# KiCad board SofleKeyboard.kicad_pcb
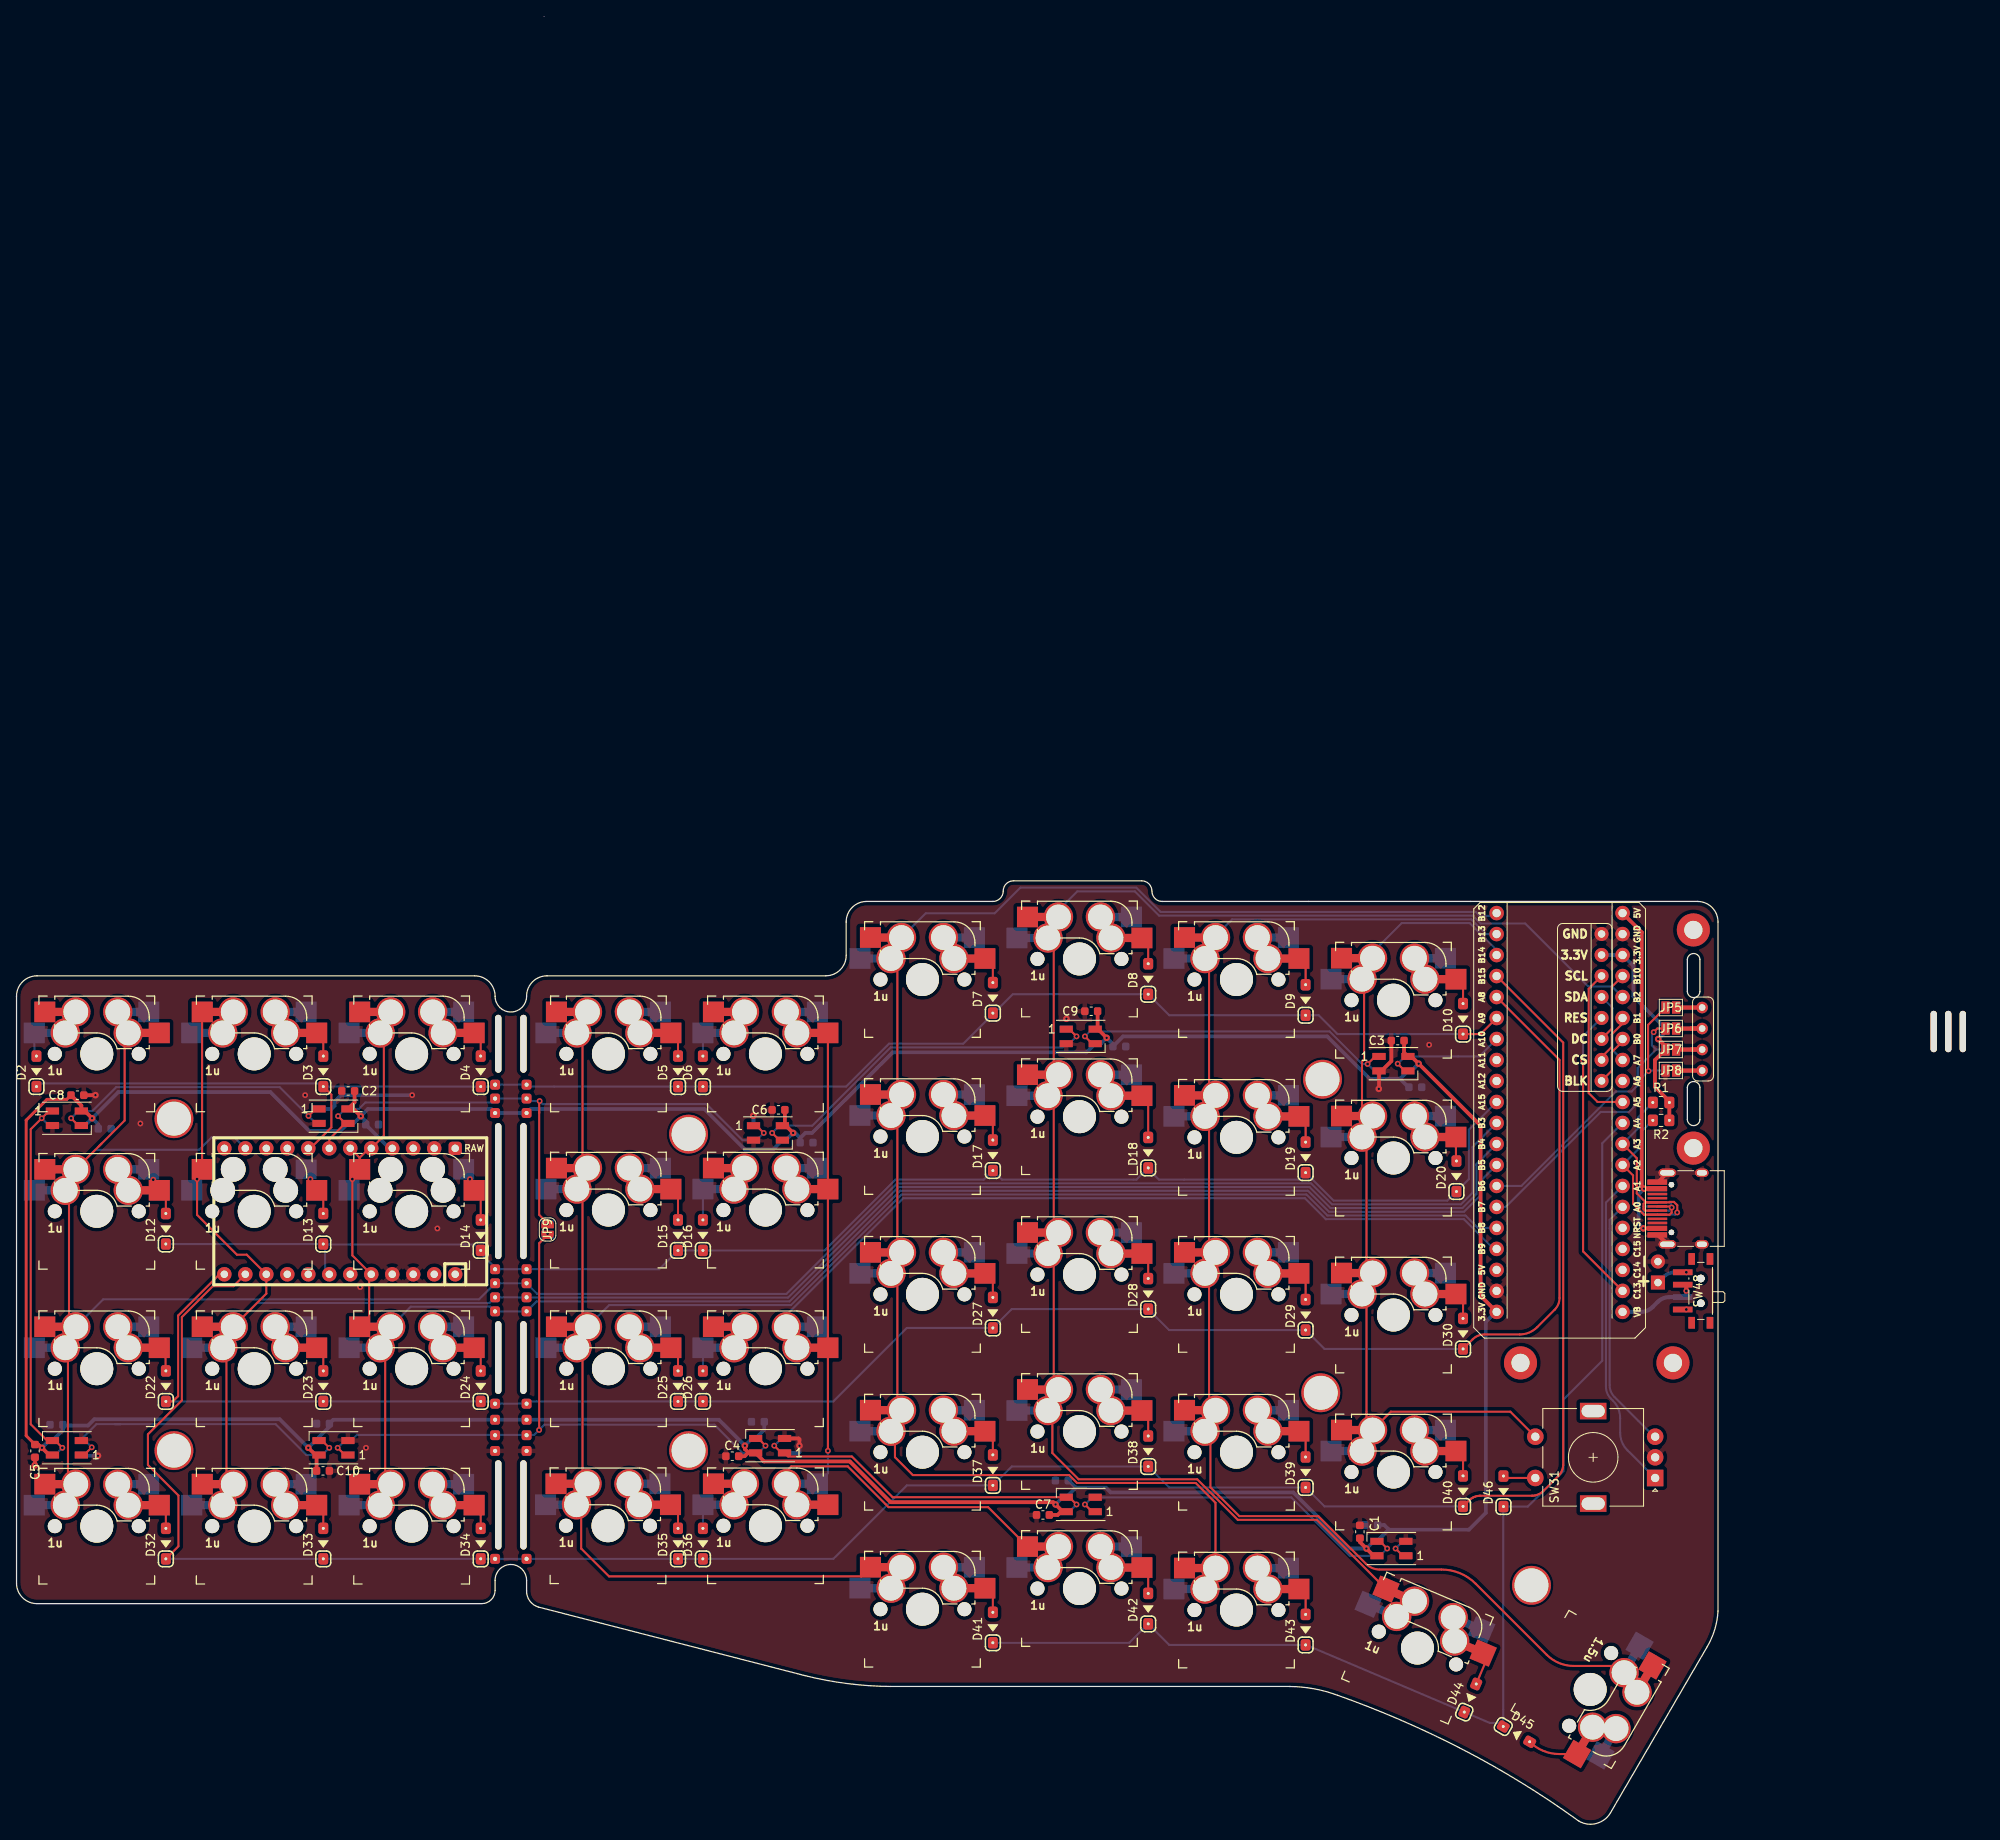
[diagram p0: board, top side]
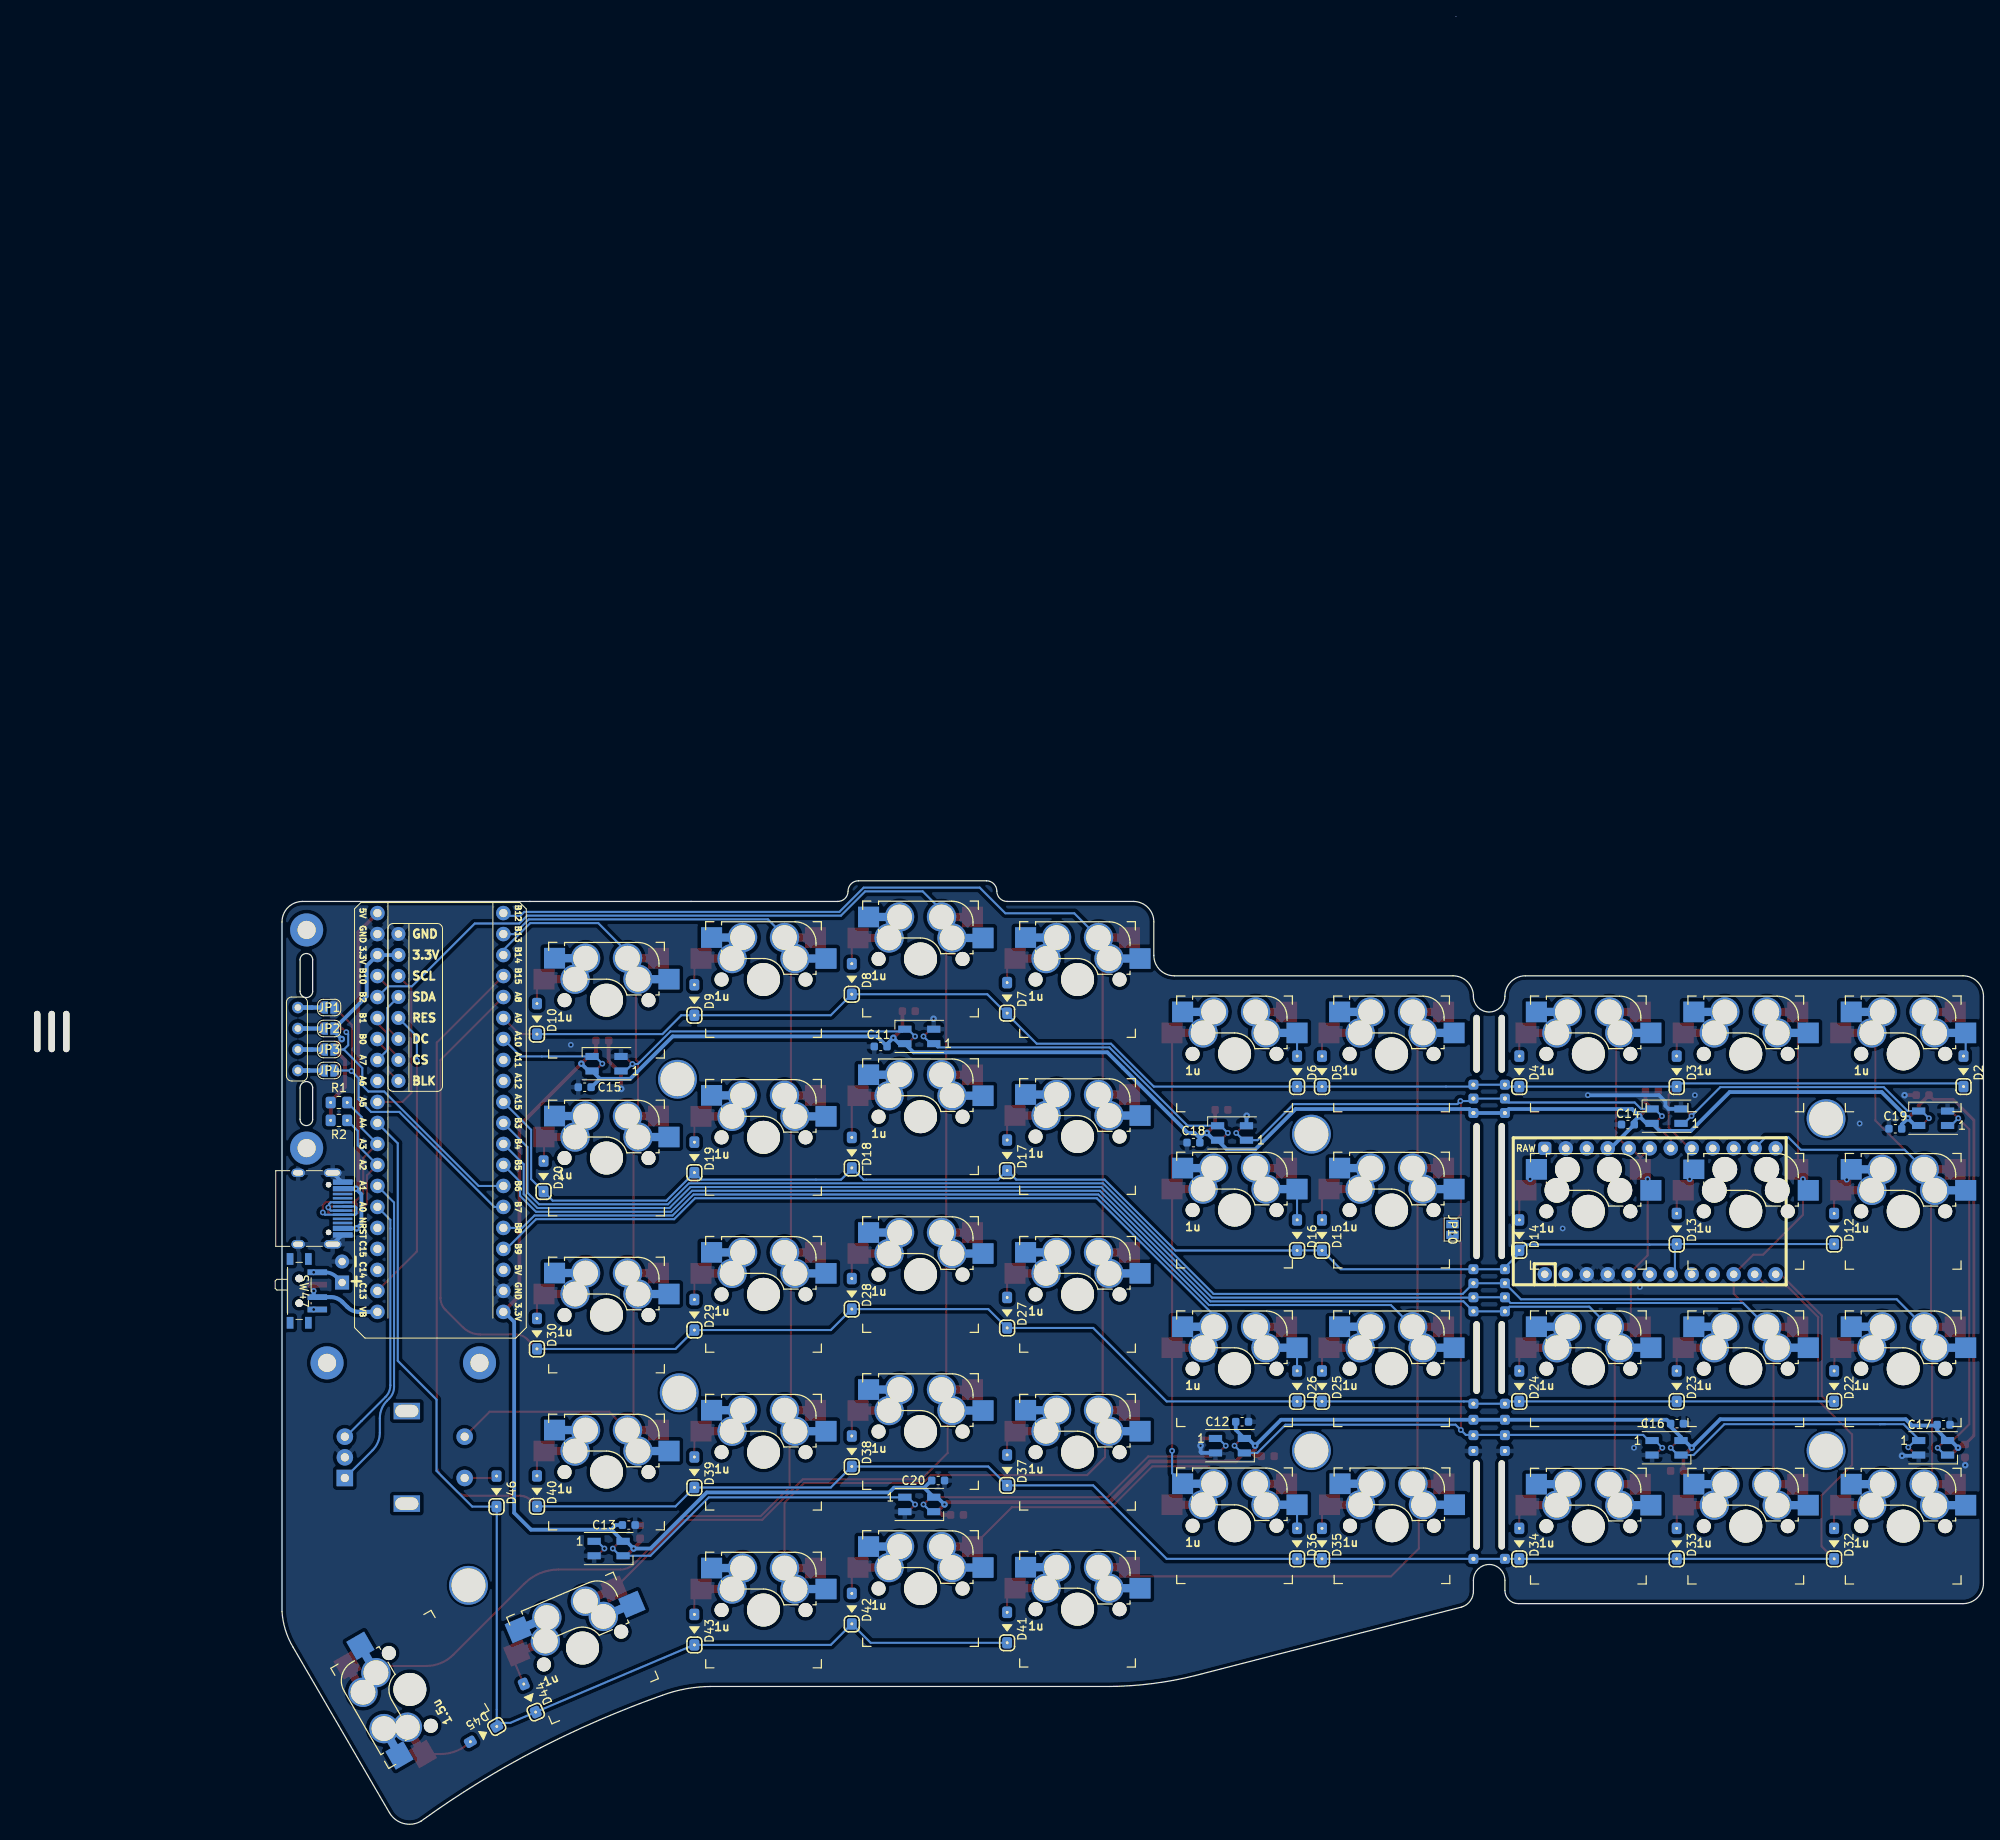
[diagram p1: board, bottom side, seen from below]

Outline 205.9 x 218.67 mm; copper layers: Top, Bottom. Coordinates in mm from the lower left corner of the outline.
Outline path: 0,100.11 0,29.08 arc(0.72,27.33) 2.47,26.6 56.3,26.6 arc(57.44,27.08) 57.91,28.21 57.91,29.44 arc(59.82,31.34) 61.72,29.44 61.72,28.21 arc(62.1,26.94) 63.18,26.18 95.35,17.91 arc(100.52,16.93) 105.76,16.58 154.02,16.58 arc(156.99,16.3) 159.86,15.51 arc(167.34,12.58) 174.6,9.16 arc(182.01,5) 189.07,0.27 arc(191.19,0) 192.88,1.29 204.57,21.36 arc(205.49,23.43) 205.9,25.67 205.9,109.11 arc(205.17,110.85) 203.42,111.58 156.4,111.58 138.65,111.58 arc(137.76,111.94) 137.4,112.83 arc(137.03,113.71) 136.15,114.08 120.65,114.08 arc(119.76,113.71) 119.4,112.83 arc(119.03,111.94) 118.15,111.58 102.87,111.58 arc(101.12,110.85) 100.4,109.11 100.4,105.05 arc(99.67,103.3) 97.92,102.58 64.19,102.58 arc(62.45,101.85) 61.72,100.11 arc(59.82,98.2) 57.91,100.11 arc(57.19,101.85) 55.44,102.58 2.47,102.58 arc(0.72,101.85) 0,100.11 ; 202.18,104.52 202.18,100.71 arc(202.95,99.95) 203.71,100.71 203.71,104.52 arc(202.95,105.28) 202.18,104.52 ; 202.18,89.02 202.18,85.21 arc(202.95,84.45) 203.71,85.21 203.71,89.02 arc(202.95,89.79) 202.18,89.02
Stack: Top 0.035mm / dielectric 1.51mm FR4 er 4.5 / Bottom 0.035mm

## Placement (name value [footprint] x y rotation side)
C1  104  [C_0603_1608Metric]  162.56 35.3 90 top
C2  104  [C_0603_1608Metric]  40.13 88.64 180 top
C3  104  [C_0603_1608Metric]  167.13 94.74 180 top
C4  104  [C_0603_1608Metric]  86.61 44.45 180 top
C5  104  [C_0603_1608Metric]  2.24 45.08 270 top
C6  104  [C_0603_1608Metric]  92.2 86.36 180 top
C7  104  [C_0603_1608Metric]  124.21 37.33 180 top
C8  104  [C_0603_1608Metric]  7.37 88.13 0 top
C9  104  [C_0603_1608Metric]  130.05 98.29 180 top
C10  104  [C_0603_1608Metric]  37.08 42.67 0 top
C11  104  [C_0603_1608Metric]  133.45 94.03 0 bottom
C12  104  [C_0603_1608Metric]  89.71 48.61 180 bottom
C13  104  [C_0603_1608Metric]  163.93 36.12 180 bottom
C14  104  [C_0603_1608Metric]  43.03 84.58 0 bottom
C15  104  [C_0603_1608Metric]  169.27 89.1 0 bottom
C16  104  [C_0603_1608Metric]  37.08 48.38 180 bottom
C17  104  [C_0603_1608Metric]  4.83 48.26 180 bottom
C18  104  [C_0603_1608Metric]  95.61 82.39 0 bottom
C19  104  [C_0603_1608Metric]  10.67 84.07 0 bottom
C20  104  [C_0603_1608Metric]  126.49 41.5 180 bottom
D2  D  [Diode]  2.41 90.87 270 bottom
D3  D  [Diode]  37.12 90.87 270 bottom
D4  D  [Diode]  56.17 90.87 270 bottom
D5  D  [Diode]  80.05 90.87 270 bottom
D6  D  [Diode]  83.06 90.87 270 bottom
D7  D  [Diode]  118.15 99.76 270 bottom
D8  D  [Diode]  136.94 102.04 270 bottom
D9  D  [Diode]  155.99 99.5 270 bottom
D10  D  [Diode]  175.04 97.22 270 bottom
D12  D  [Diode]  18.07 71.82 270 bottom
D13  D  [Diode]  37.12 71.82 270 bottom
D14  D  [Diode]  56.17 71.04 270 bottom
D15  D  [Diode]  80.05 71.04 270 bottom
D16  D  [Diode]  83.06 71.04 270 bottom
D17  D  [Diode]  118.15 80.71 270 bottom
D18  D  [Diode]  136.94 81.02 270 bottom
D19  D  [Diode]  155.99 80.45 270 bottom
D20  D  [Diode]  174.24 78.17 270 bottom
D22  D  [Diode]  18.07 52.77 270 bottom
D23  D  [Diode]  37.12 52.77 270 bottom
D24  D  [Diode]  56.17 52.77 270 bottom
D25  D  [Diode]  80.05 52.77 270 bottom
D26  D  [Diode]  83.06 52.77 270 bottom
D27  D  [Diode]  118.15 61.66 270 bottom
D28  D  [Diode]  136.94 63.94 270 bottom
D29  D  [Diode]  155.99 61.4 270 bottom
D30  D  [Diode]  175.04 59.12 270 bottom
D32  D  [Diode]  18.07 33.72 270 bottom
D33  D  [Diode]  37.12 33.72 270 bottom
D34  D  [Diode]  56.17 33.72 270 bottom
D35  D  [Diode]  80.05 33.72 270 bottom
D36  D  [Diode]  83.06 33.72 270 bottom
D37  D  [Diode]  118.15 42.61 270 bottom
D38  D  [Diode]  136.94 44.89 270 bottom
D39  D  [Diode]  155.99 42.35 270 bottom
D40  D  [Diode]  175.04 40.07 270 bottom
D41  D  [Diode]  118.15 23.56 270 bottom
D42  D  [Diode]  136.94 25.84 270 bottom
D43  D  [Diode]  155.99 23.3 270 bottom
D44  D  [Diode]  175.85 15.04 247 bottom
D45  D  [Diode]  181.37 10.89 150 bottom
D46  D  [Diode]  179.93 40.04 270 bottom
H1  Hole  [Cut_hole#2]  232 95.84 0 top
H2  Hole  [Cut_hole#2]  235.52 95.84 0 top
H3  Hole  [Cut_hole]  58.29 77.37 0 top
H3#2  Hole  [Cut_hole]  61.34 77.37 0 top
H3#3  Hole  [Cut_hole#3]  58.29 56.38 0 top
H3#4  Hole  [Cut_hole#4]  58.29 94.36 0 top
H3#5  Hole  [Cut_hole#4]  61.34 94.36 0 top
H3#6  Hole  [Cut_hole#3]  61.34 56.38 0 top
H3#7  Hole  [Cut_hole#5]  61.34 38.55 0 top
H3#8  Hole  [Cut_hole#5]  58.29 38.55 0 top
H6  Hole  [Cut_hole#2]  233.76 95.84 0 top
J1  DATA Port  [USB-C-16pin-hight-v2]  202.87 74.42 270 top
J2  DATA Port  [USB-C-16pin-hight-v2]  202.87 74.42 90 bottom
J3  Conn_01x04  [128x64OLED]  192.02 94.93 270 top
J4  -  [PinHeader_1x02_P2.54mm_Vertical]  198.63 65.46 180 top
J5  -  [Conn_01x08]  191.81 98.75 0 top
J6  -  [Conn_01x01]  57.91 89.4 0 top
J7  -  [Conn_01x01]  61.72 89.4 0 top
J8  -  [Conn_01x01]  61.72 67.07 0 top
J9  -  [Conn_01x01]  57.91 67.07 0 top
J10  -  [Conn_01x01]  57.91 50.8 0 top
J11  -  [Conn_01x01]  61.72 50.8 0 top
J12  -  [Conn_01x01]  57.91 32.02 0 top
J13  -  [Conn_01x01]  61.72 32.02 0 top
J14  -  [Conn_01x01]  57.91 87.73 0 top
J15  -  [Conn_01x01]  61.72 87.73 0 top
J16  -  [Conn_01x01]  61.72 45.08 0 top
J17  -  [Conn_01x01]  57.91 45.08 0 top
J18  -  [Conn_01x01]  61.72 65.37 0 top
J19  -  [Conn_01x01]  57.91 65.37 0 top
J20  -  [Conn_01x01]  57.91 63.67 0 top
J21  -  [Conn_01x01]  61.72 63.67 0 top
J22  -  [Conn_01x01]  61.72 61.97 0 top
J23  -  [Conn_01x01]  57.91 61.97 0 top
J24  -  [Conn_01x01]  57.91 85.98 0 top
J25  -  [Conn_01x01]  61.72 85.98 0 top
J26  -  [Conn_01x01]  57.91 48.86 0 top
J27  -  [Conn_01x01]  61.72 48.86 0 top
J28  -  [Conn_01x01]  57.91 46.99 0 top
J29  -  [Conn_01x01]  61.72 46.99 0 top
JP1  -  [SolderJumper-2_P1.3mm_Open_RoundedPad1.0x1.5mm]  200.19 98.74 0 bottom
JP2  -  [SolderJumper-2_P1.3mm_Open_RoundedPad1.0x1.5mm]  200.19 96.2 0 bottom
JP3  -  [SolderJumper-2_P1.3mm_Open_RoundedPad1.0x1.5mm]  200.19 93.66 0 bottom
JP4  -  [SolderJumper-2_P1.3mm_Open_RoundedPad1.0x1.5mm]  200.19 91.12 0 bottom
JP5  -  [SolderJumper-2_P1.3mm_Open_Pad1.0x1.5mm]  200.19 98.74 0 top
JP6  -  [SolderJumper-2_P1.3mm_Open_Pad1.0x1.5mm]  200.19 96.2 0 top
JP7  -  [SolderJumper-2_P1.3mm_Open_Pad1.0x1.5mm]  200.19 93.66 0 top
JP8  -  [SolderJumper-2_P1.3mm_Open_Pad1.0x1.5mm]  200.19 91.12 0 top
JP9  Jump LED  [SolderJumper-2_P1.3mm_Open_RoundedPad1.0x1.5mm]  64.26 71.88 270 top
JP10  Jump LED  [SolderJumper-2_P1.3mm_Open_Pad1.0x1.5mm]  64.26 71.88 270 bottom
LED1  6812  [SK6812MINI-FLIP]  166.62 91.94 0 top
LED2  6812  [SK6812MINI-FLIP]  128.78 95.25 0 top
LED3  6812  [SK6812MINI-FLIP]  90.93 83.56 0 top
LED4  6812  [SK6812MINI-FLIP]  38.35 85.59 0 top
LED5  6812  [SK6812MINI-FLIP]  6.1 85.34 0 top
LED6  6812  [SK6812MINI-FLIP]  6.1 45.46 180 top
LED7  6812  [SK6812MINI-FLIP]  38.35 45.46 180 top
LED8  6812  [SK6812MINI-FLIP]  91.19 45.72 180 top
LED9  6812  [SK6812MINI-FLIP]  128.78 38.6 180 top
LED10  6812  [SK6812MINI-FLIP]  166.37 33.27 180 top
R1  10k  [R_0805_2012Metric_Pad1.20x1.40mm_HandSolder]  199.01 87.25 180 top
R2  10k  [R_0805_2012Metric_Pad1.20x1.40mm_HandSolder]  199.01 85.09 180 top
SW2  1u  [SW-HS_flip-1u]  9.71 93.13 0 top
SW3  1u  [SW-HS_flip-1u]  28.76 93.13 0 top
SW4  1u  [SW-HS_flip-1u]  47.81 93.13 0 top
SW5  1u  [SW-HS_flip-1u]  71.63 93.13 0 top
SW6  1u  [SW-HS_flip-1u]  90.63 93.13 0 top
SW7  1u  [SW-HS_flip-1u]  109.63 102.13 0 top
SW8  1u  [SW-HS_flip-1u]  128.63 104.62 0 top
SW9  1u  [SW-HS_flip-1u]  147.63 102.13 0 top
SW10  1u  [SW-HS_flip-1u]  166.63 99.63 0 top
SW12  1u  [SW-HS_flip-1u]  9.71 74.08 0 top
SW13  1u  [SW-HS-Flip-1u]  28.76 74.08 0 top
SW14  1u  [SW-HS-Flip-1u#2]  47.81 74.08 0 top
SW15  1u  [SW-HS_flip-1u]  71.63 74.23 0 top
SW16  1u  [SW-HS_flip-1u]  90.63 74.23 0 top
SW17  1u  [SW-HS_flip-1u]  109.63 83.13 0 top
SW18  1u  [SW-HS_flip-1u]  128.63 85.53 0 top
SW19  1u  [SW-HS_flip-1u]  147.63 83.03 0 top
SW20  1u  [SW-HS_flip-1u]  166.63 80.53 0 top
SW22  1u  [SW-HS_flip-1u]  9.71 55.03 0 top
SW23  1u  [SW-HS_flip-1u]  28.76 55.03 0 top
SW24  1u  [SW-HS_flip-1u]  47.81 55.03 0 top
SW25  1u  [SW-HS_flip-1u]  71.63 55.03 0 top
SW26  1u  [SW-HS_flip-1u]  90.63 55.03 0 top
SW27  1u  [SW-HS_flip-1u]  109.63 64.03 0 top
SW28  1u  [SW-HS_flip-1u]  128.63 66.43 0 top
SW29  1u  [SW-HS_flip-1u]  147.63 64.03 0 top
SW30  1u  [SW-HS_flip-1u]  166.63 61.53 0 top
SW31  -  [RotaryEncoder_Alps_EC11E-Switch_Vertical_H20mm]  190.79 44.31 90 top
SW33  1u  [SW-HS_flip-1u]  9.71 35.98 0 top
SW34  1u  [SW-HS_flip-1u]  28.76 35.98 0 top
SW35  1u  [SW-HS_flip-1u]  47.81 35.98 0 top
SW36  1u  [SW-HS_flip-1u]  71.58 36.03 0 top
SW37  1u  [SW-HS_flip-1u]  90.63 36.03 0 top
SW38  1u  [SW-HS_flip-1u]  109.63 44.93 0 top
SW39  1u  [SW-HS_flip-1u]  128.63 47.43 0 top
SW40  1u  [SW-HS_flip-1u]  147.63 44.93 0 top
SW41  1u  [SW-HS_flip-1u]  166.63 42.53 0 top
SW42  1u  [SW-HS_flip-1u]  109.63 25.93 0 top
SW43  1u  [SW-HS_flip-1u]  128.63 28.43 0 top
SW44  1u  [SW-HS_flip-1u]  147.63 25.83 0 top
SW45  1u  [SW-HS_flip-1u]  169.53 21.23 337 top
SW46  1.5u  [SW-HS_flip-1u]  190.43 16.22 240 top
SW47  -  [SW_SPDT_PCM12]  203.49 64.45 270 bottom
SW48  -  [SW_SPDT_PCM12]  203.49 64.45 90 top
TH1  HOLE  [HOLE_M2_TH]  158.04 90.07 0 top
TH2  HOLE  [HOLE_M2_TH]  81.33 83.42 0 top
TH3  HOLE  [HOLE_M2_TH]  157.83 52.12 0 top
TH4  HOLE  [HOLE_M2_TH]  81.33 45.12 0 top
TH4#2  HOLE  [HOLE_M2_TH]  19.05 45.12 0 top
TH4#3  HOLE  [HOLE_M2_TH]  19.05 85.29 0 top
TH5  HOLE  [HOLE_M2_TH]  183.33 28.82 90 top
TH6  HOLE  [M2_HOLE_PCB]  182 55.74 0 top
TH7  HOLE  [M2_HOLE_PCB]  200.44 55.74 0 top
TH9  HOLE  [M2_HOLE_PCB]  202.91 108.13 0 top
TH10  HOLE  [M2_HOLE_PCB]  202.91 81.73 0 top
U1  Promicro  [PRO-MICRO]  39.12 74.08 90 bottom
U2  Blackpill-F4x1  [BlackPill-STM32F4X1]  186.73 84.77 270 top

## Library data of the parts
U1 = -: Field4: U1; Field5: ProMicro
